# Altium PCB Layout.PcbDoc (part 2 of 4) (continued)
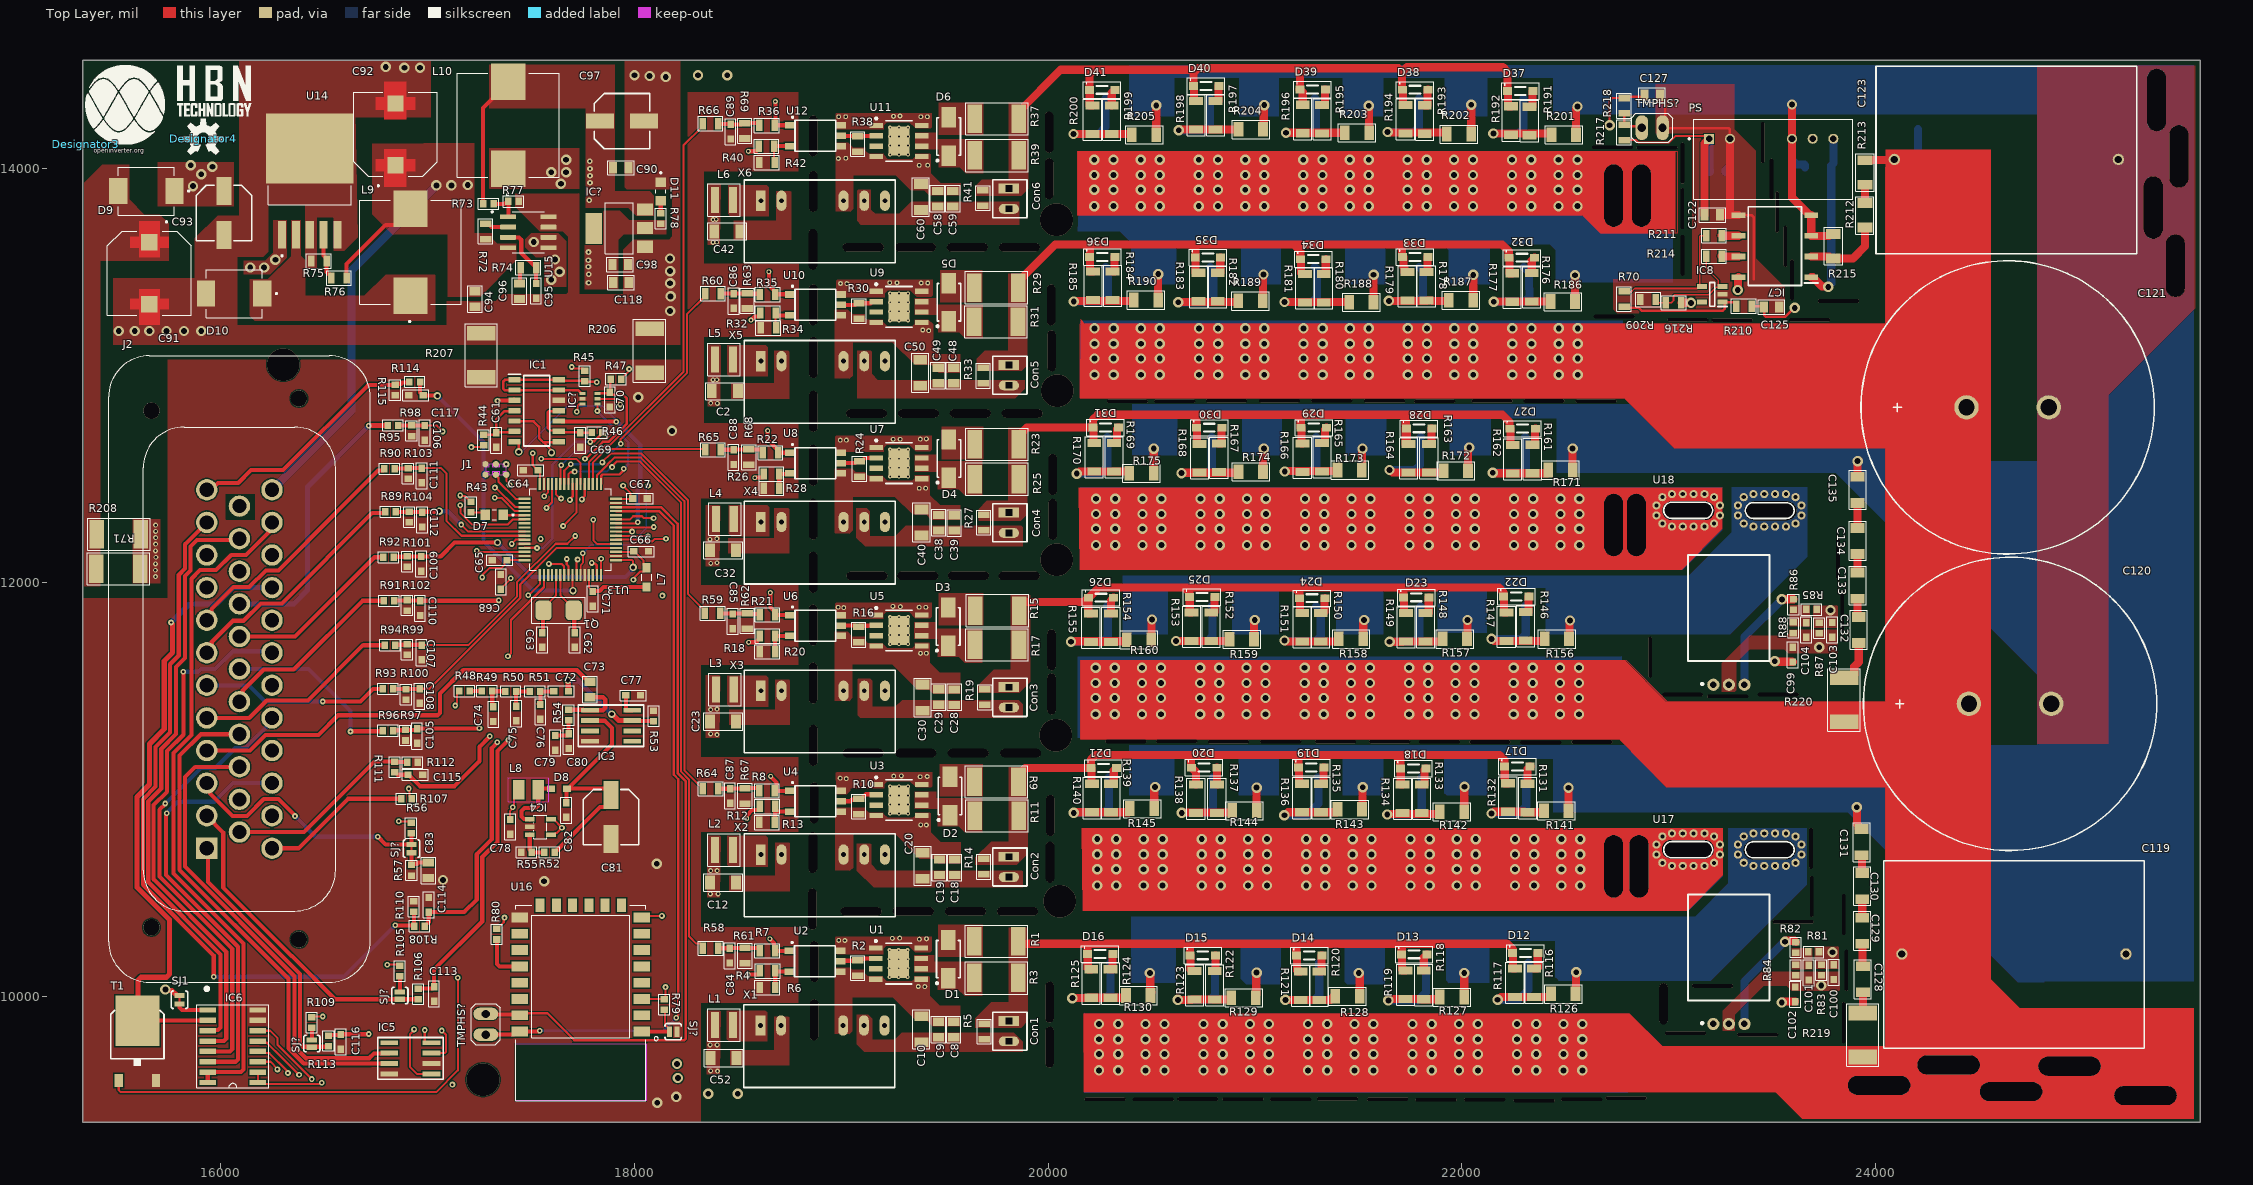
[diagram p0: Top Layer view]
## Nets (pads, with @x,y where several pads share a name; then routed paths per layer and width w, separated by ;. In a path a pad name is that pad's centre, name@x,y a point inside that pad or via, vN(x,y) a via of type N, cw(c..) or ccw(c..) an arc to the next point about the centre after c; other vN are vias at no path point) (continued)
C: C41.1 C44.2 C48.1 C49.1 C50.2 Con5.2 pad.5@22733,13868.38 pad.5@22867.13,13868.38 Q22.2 Q23.2 Q24.2 Q25.2 Q26.2 Q27.3 Q28.3 Q29.3 Q30.3 Q31.3 R33.1 R186.1 R187.1 R188.1 R189.1 R190.1 X5.6 | length 3851
  Top Layer w39.37: R190.1@20531.75,13364.35 v1(20531.75,13489.17) ; R189.1@21036.8,13359.79 21038.77,13361.76 21038.77,13485.66 v1(21040.74,13487.63) ; R188.1@21572.83,13353.35 v1(21572.83,13485.66) ; R187.1@22054.02,13363.19 22054.02,13378.59 22054.37,13378.94 22054.37,13485.11 v1(22054.71,13485.45) ; R186.1@22545.63,13356.79 22545.85,13357.01 22545.85,13483.54 v1(22546.07,13483.75)
  Mid 1 w39.37: Con5.2@19810.51,12951.55 19895.61,12951.55 19943.39,12999.32 19943.39,13433.24 19999.31,13489.17 v1(20531.75,13489.17) 20532.52,13488.4 21039.96,13488.4 21041.72,13486.64 21571.85,13486.64 21572.94,13485.55 22054.61,13485.55 22055.56,13484.6 22545.22,13484.6 v1(22546.07,13483.75)
  other v1: 20223.22,13817.65 20315.74,13817.65 20447.63,13817.65 20539.16,13817.65 20728.16,13817.65 20820.68,13817.65 20952.57,13817.65 21044.11,13817.65 21233.11,13817.65 21325.63,13817.65 21457.52,13817.65 21549.05,13817.65 21737.07,13817.65 21829.59,13817.65 21961.48,13817.65 22053.01,13817.65 22242.01,13817.65 22334.53,13817.65 22466.42,13817.65 22557.96,13817.65 20223.22,13896.39 20315.74,13896.39 20447.63,13896.39 20539.16,13896.39 20728.16,13896.39 20820.68,13896.39 20952.57,13896.39 21044.11,13896.39 21233.11,13896.39 21325.63,13896.39 21457.52,13896.39 21549.05,13896.39 21737.07,13896.39 21829.59,13896.39 21961.48,13896.39 22053.01,13896.39 22242.01,13896.39 22334.53,13896.39 22466.42,13896.39 22557.96,13896.39 20223.22,13968.24 20315.74,13968.24 20447.63,13968.24 20539.16,13968.24 20728.16,13968.24 20820.68,13968.24 20952.57,13968.24 21044.11,13968.24 21233.11,13968.24 21325.63,13968.24 21457.52,13968.24 21549.05,13968.24 21737.07,13968.24 21829.59,13968.24 21961.48,13968.24 22053.01,13968.24 22242.01,13968.24 22334.53,13968.24 22466.42,13968.24 22557.96,13968.24 20223.22,14042.05 20315.74,14042.05 20447.63,14042.05 20539.16,14042.05 20728.16,14042.05 20820.68,14042.05 20952.57,14042.05 21044.11,14042.05 21233.11,14042.05 21325.63,14042.05 21457.52,14042.05 21549.05,14042.05 21737.07,14042.05 21829.59,14042.05 21961.48,14042.05 22053.01,14042.05 22242.01,14042.05 22334.53,14042.05 22466.42,14042.05 22557.96,14042.05
CANH: IC5.7 J2.16 | length 2483.3
  Top Layer w20: J2.16@16091.93,11265.64 15905.42,11265.64 15802.17,11162.39 15802.17,10610.53 16328.6,10084.1 16328.6,9748.01 16402.86,9673.75 16729.82,9673.75 16730.61,9674.54 IC5.7@16815.86,9674.54
CANL: IC5.6 J2.15 | length 2297.4
  Top Layer w20: J2.15@16091.93,11108.16 15878.22,11108.16 15828.72,11058.66 15828.72,10625.67 16358.45,10095.95 16358.45,9754.91 16413.62,9699.73 16719.05,9699.73 16742.75,9723.43 16814.74,9723.43 IC5.6@16815.86,9724.54
ENC_A/S2: J2.1 R113.1 SJ?.1@16441.93,9753.12 | length 1277.9
  Top Layer w20: J2.1@15934.45,10714.46 15940.41,10708.5 15940.41,10550.73 16384.43,10106.71 16384.43,9770.59 16399.39,9755.62 16439.43,9755.62 SJ?.1@16441.93,9753.12 16444.43,9755.62 16519.79,9755.62 R113.1@16522.64,9758.47
ENC_B/S3: J2.2 R106.1 SJ?.1@16867.13,9985.07 | length 1546.7
  Top Layer w20: J2.2@15934.45,10871.94 15934.45,10869.68 16013.53,10790.6 16013.53,10524.79 16343.88,10194.44 16345.31,10194.44 16554.68,9985.07 SJ?.1@16867.13,9985.07 R106.1@16956.78,9985.07
ENC_Z/R1: C73.2 J2.4 | length 2090.6
  Top Layer w20: J2.4@15934.45,11186.9 16143.51,11186.9 16218.5,11261.89 16473.72,11261.89 16569.04,11357.2 17049.77,11357.2 17061.49,11368.92 17061.49,11462.82 17173.47,11574.8 17722.94,11574.8 17778.45,11519.29 C73.2@17786.32,11519.29
GND: C2.1 C3.1 C12.1 C13.1 C22.1 C23.1 C32.1 C33.1 C42.1 C43.1 C52.1 C53.1 C61.2 C62.1 C63.1 C64.1 C65.1 C66.1 C67.1 C68.1 C69.2 C70.2 C71.1 C74.2 C75.2 C76.2 C77.1 C78.2 C79.1 C80.1 C81.2 C82.1 C83.1 C84.1 C85.1 C86.1 C87.1 C88.1 C89.1 C90.1 C91.2 C92.2 C93.2 C94.1 C95.1 C96.1 C97.2 C98.1 C99.1 C100.1 C101.1 C102.1 C103.1 C104.1 C105.1 C106.1 C107.1 C108.1 C109.1 C110.1 C111.1 C112.1 C113.1 C114.1 C115.1 C116.1 C117.1 C118.1 C122.1 C124.1 C125.1 C127.1 D10.A D11.C IC1.12 IC3.4 IC4.2 IC5.2 IC5.8 IC6.7 IC6.8 IC7.5 IC8.2 IC?.1@18051.68,13621.65 IC?.2@17749.92,12886.65 J1.5 J2.23 PS.2 R6.1 R13.1 R20.1 R28.1 R34.1 R42.1 R53.1 R55.1 R57.1 R61.1 R62.1 R63.1 R67.1 R68.1 R69.1 R75.1 R77.1 R83.1 R84.1 R87.1 R88.1 R97.1 R98.1 R99.1 R100.1 R101.1 R102.1 R103.1 R104.1 R110.1 R112.1 R115.1 R206.1 R206.2 R207.1 R207.2 R209.2 SJ?.2@18206.02,9828.36 T1.3 TMPHS?.2@22969.28,14196.85 U13.12 U13.18 U13.31 U13.47 U13.60 U13.63 U14.3 U14.5 U14.6 U15.7 U15.8 U16.15 U17.2 U18.2 X1.2 X2.2 X3.2 X4.2 X5.2 X6.2 | length 13231.1
  Top Layer w12: C127.1@22947.22,14356.17 22967.63,14335.76 22967.63,14316.57 22983.07,14301.13 TMPHS?.2@22983.07,14181.37 ; TMPHS?.2@22983.07,14186.22 22991.46,14194.61 23287.85,14194.61 23294.88,14187.58 PS.2@23294.88,14143.23 ; IC7.5@23335.63,13774.02 23398.23,13774.02 23410.43,13761.81 23410.43,13463.6
  Top Layer w39.37: PS.2@23294.88,14143.23 23294.88,13782.97 23247.13,13782.97 23247.13,13774.56 23335.09,13774.56 IC7.5@23335.63,13774.02
  Mid 1 w39.37: v1(18109.07,10639.28) 18036.84,10567.04 18036.84,10028.05 18111.55,9953.34 v1(18111.55,9484.38) ; v1(18202.85,9513.15) 18300.3,9415.7 22920.53,9415.7 23289.96,9785.13 U17.2@23289.96,9865.56 ; PS.2@23294.88,14143.23 23385.84,14052.27 23385.84,13400.99 23748.15,13038.68 23748.15,11961.73 23682.64,11896.22 23682.64,11730.08 v1(23726.99,11685.73) 23726.99,10063.08 23735.86,10054.2 v1(23735.86,10051.33)
  Mid 2 w39.37: v1(17075.77,10561.33) 17554.9,10561.33 17561.36,10554.87 v1(17564.24,10554.87) ; v1(18019.49,12893.9) 18019.79,12893.9 18182.03,12731.65 v1(18182.33,12731.65)
  Bottom Layer w39.37: C124.1@23273.7,13983.02 23273.7,13990.9 23294.88,14012.07 PS.2@23294.88,14143.23
  other v1: 15508.86,13213.98 15586.02,13213.98 15656.89,13213.98 15739.57,13213.98 15824.21,13213.98 15907.71,13213.98 18173.25,13311.03 18175.78,13381.51 18173.25,13445.29 18173.25,13503.64 18173.06,13564.7 18152.5,14442.29 18074.05,14446.37 18000.99,14450.44 16889.01,14486.6 16964.45,14486.6 16798.9,14490.68
H1: Con1.1 D12.k D13.k D14.k D15.k D16.k R1.2 R3.2 R5.2 R117.1 R119.1 R121.1 R123.1 R125.1 | length 3143.6
  Top Layer w39.37: R1.2@19856.1,10264.76 19867.51,10253.36 20184.12,10253.36 ; D16.k@20189.51,10203.59 D16.k@20190.5,10204.57 ; D16.k@20191.48,10202.6 20191.48,10133.16 20194.86,10129.78 R125.1@20208.64,10129.78 ; D15.k@20686.05,10196.85 20686.05,10253.36 ; D15.k@20687.04,10196.85 20688.02,10195.87 20688.02,10127.44 20694,10121.47 R123.1@20707.78,10121.47 ; R121.1@21220.81,10119.81 21207.03,10119.81 21202.76,10124.08 21202.76,10194.88 21201.77,10195.87 D14.k@21200.79,10195.87 21199.8,10195.87 21198.82,10196.85 21198.82,10253.36 ; D13.k@21707.84,10201.68 D13.k@21707.97,10201.68 ; R119.1@21726.88,10123.64 21713.1,10123.64 21709.81,10126.93 21709.81,10200.69 21708.83,10201.68 D13.k@21707.97,10201.68 ; D12.k@22245.08,10208.66 22246.06,10208.66 D12.k@22247.05,10207.68 ; R117.1@22255.98,10133.28 22247.05,10133.28 D12.k@22247.05,10207.68 ; 20184.12,10253.36 20189.51,10247.96 ; 20184.12,10253.36 20686.05,10253.36 ; 20189.51,10247.96 20189.51,10204.57 D16.k@20190.5,10204.57 ; 20189.51,10247.96 20191.48,10204.57 D16.k@20190.5,10204.57 ; 20686.05,10253.36 21198.82,10253.36 ; 21198.82,10253.36 21708.95,10253.36 ; D13.k@21707.97,10201.68 21708.95,10202.66 21708.95,10253.36 ; 21708.95,10253.36 22219.08,10253.36 22247.05,10225.39 D12.k@22247.05,10207.68
H2: Con3.1 D22.k D23.k D24.k D25.k D26.k R15.2 R17.2 R19.2 R147.1 R149.1 R151.1 R153.1 R155.1 | length 3038.2
  Top Layer w39.37: R15.2@19860.27,11863.2 19860.27,11889.19 19876.01,11904.94 20173.02,11904.94 20192.06,11923.98 20193.05,11923.98 D26.k@20194.03,11924.96 20194.03,11849.18 R155.1@20206.8,11849.18 ; D26.k@20195.02,11924.96 20244.58,11974.52 20659.35,11974.52 ; R153.1@20693.24,11854.35 20684.38,11854.35 20684.38,11928.17 20683.4,11929.15 D25.k@20682.41,11929.15 20682.41,11951.46 20659.35,11974.52 ; R151.1@21227.96,11851.49 21216.41,11851.49 21216.41,11921.6 21215.43,11922.58 D24.k@21214.44,11922.58 21214.44,11951.46 21191.38,11974.52 ; R149.1@21729.56,11851.1 21720.21,11851.1 21720.21,11925.91 21719.23,11926.89 21718.95,11926.89 21717.96,11927.88 21717.96,11951.46 21694.9,11974.52 ; R147.1@22214.53,11854.33 22203.21,11854.33 22203.21,11930.12 22202.22,11931.1 D22.k@22201.24,11931.1 22201.24,11951.46 22178.18,11974.52 21694.9,11974.52 ; 20659.35,11974.52 21191.38,11974.52 ; 21191.38,11974.52 21694.9,11974.52
H3: Con5.1 D32.k D33.k D34.k D35.k D36.k R29.2 R31.2 R33.2 R177.1 R179.1 R181.1 R183.1 R185.1 | length 3259.2
  Top Layer w39.37: R29.2@19855.88,13424.21 19855.88,13457.68 19871.62,13473.43 19874.8,13473.43 20034.25,13632.87 20179.45,13632.87 ; R185.1@20216.79,13502.14 20203.01,13502.14 20202.52,13502.63 20202.52,13609.81 20179.45,13632.87 ; R183.1@20726.76,13495.61 20712.98,13495.61 20712.98,13568.45 20712.39,13569.03 20712.39,13609.81 20689.33,13632.87 ; R181.1@21241.14,13489.17 21227.36,13489.17 21222.44,13494.09 21222.44,13560.04 21221.46,13561.02 D34.k@21220.47,13561.02 21219.49,13561.02 21218.5,13562.01 21218.5,13601.62 21187.25,13632.87 ; D33.k@21712.42,13571.85 21711.43,13572.83 21710.84,13572.83 21710.84,13616.8 21694.77,13632.87 ; D33.k@21717.83,13571.85 21717.83,13522.89 21722.62,13518.09 21722.62,13499.83 R179.1@21736.4,13499.83 ; R177.1@22243.15,13493.33 22230.18,13493.33 22230.18,13566.93 22229.19,13567.91 D32.k@22228.21,13567.91 22227.23,13567.91 22226.24,13568.9 22226.24,13599.97 22193.34,13632.87 21694.77,13632.87 ; 20179.45,13632.87 20689.33,13632.87 ; 20689.33,13632.87 21187.25,13632.87 ; 21187.25,13632.87 21694.77,13632.87
HV+: C119.1 C120.2 C121.2 C123.1 pad.5@24015.75,9568.9 pad.5@24351.38,9667.32 pad.5@24653.54,9538.39 pad.5@24936.02,9661.42 pad.5@25303.15,9519.68 Q2.3 Q3.3 Q4.3 Q5.3 Q6.3 Q12.3 Q13.3 Q14.3 Q15.3 Q16.3 Q22.3 Q23.3 Q24.3 Q25.3 Q26.3 R213.2 R219.2 R220.2 R221.2 | length 515.8
  Top Layer w39.37: R213.2@23947.83,14039.37 23949.8,14041.34 24087.6,14041.34 C123.1@24089.57,14043.31
  Bottom Layer w39.37: R221.2@24206.69,13043.31 24340.55,13043.31 24422.96,12960.89 24422.96,12860.16 C121.2@24438.03,12845.09
  other v1: 20246.14,9641.15 20338.66,9641.15 20470.55,9641.15 20562.08,9641.15 20751.09,9641.15 20843.61,9641.15 20975.5,9641.15 21067.03,9641.15 21256.03,9641.15 21348.55,9641.15 21480.44,9641.15 21571.98,9641.15 21760.98,9641.15 21853.5,9641.15 21985.39,9641.15 22076.92,9641.15 22265.92,9641.15 22358.44,9641.15 22490.33,9641.15 22581.87,9641.15 20246.14,9719.89 20338.66,9719.89 20470.55,9719.89 20562.08,9719.89 20751.09,9719.89 20843.61,9719.89 20975.5,9719.89 21067.03,9719.89 21256.03,9719.89 21348.55,9719.89 21480.44,9719.89 21571.98,9719.89 21760.98,9719.89 21853.5,9719.89 21985.39,9719.89 22076.92,9719.89 22265.92,9719.89 22358.44,9719.89 22490.33,9719.89 22581.87,9719.89 20246.14,9791.74 20338.66,9791.74 20470.55,9791.74 20562.08,9791.74 20751.09,9791.74 20843.61,9791.74 20975.5,9791.74 21067.03,9791.74 21256.03,9791.74 21348.55,9791.74 21480.44,9791.74 21571.98,9791.74 21760.98,9791.74 21853.5,9791.74 21985.39,9791.74 22076.92,9791.74 22265.92,9791.74 22358.44,9791.74 22490.33,9791.74 22581.87,9791.74 20246.14,9865.56 20338.66,9865.56 20470.55,9865.56 20562.08,9865.56 20751.09,9865.56 20843.61,9865.56 20975.5,9865.56 21067.03,9865.56 21256.03,9865.56 21348.55,9865.56 21480.44,9865.56 21571.98,9865.56 21760.98,9865.56 21853.5,9865.56 21985.39,9865.56 22076.92,9865.56 22265.92,9865.56 22358.44,9865.56 22490.33,9865.56 22581.87,9865.56 20229.63,11362.32 20322.15,11362.32 20454.04,11362.32 20545.57,11362.32 20734.57,11362.32 20827.09,11362.32 20958.98,11362.32 21050.52,11362.32 21239.52,11362.32 21332.04,11362.32 21463.93,11362.32 21555.46,11362.32 21744.47,11362.32 21836.99,11362.32 21968.88,11362.32 22060.41,11362.32 22249.41,11362.32 22341.93,11362.32 22473.82,11362.32 22565.36,11362.32 20229.63,11441.06 20322.15,11441.06 20454.04,11441.06 20545.57,11441.06 20734.57,11441.06 20827.09,11441.06 20958.98,11441.06 21050.52,11441.06 21239.52,11441.06 21332.04,11441.06 21463.93,11441.06 21555.46,11441.06 21744.47,11441.06 21836.99,11441.06 21968.88,11441.06 22060.41,11441.06 22249.41,11441.06 22341.93,11441.06 22473.82,11441.06 22565.36,11441.06 20229.63,11512.91 20322.15,11512.91 20454.04,11512.91 20545.57,11512.91 20734.57,11512.91 20827.09,11512.91 20958.98,11512.91 21050.52,11512.91 21239.52,11512.91 21332.04,11512.91 21463.93,11512.91 21555.46,11512.91 21744.47,11512.91 21836.99,11512.91 21968.88,11512.91 22060.41,11512.91 22249.41,11512.91 22341.93,11512.91 22473.82,11512.91 22565.36,11512.91 20229.63,11586.73 20322.15,11586.73 20454.04,11586.73 20545.57,11586.73 20734.57,11586.73 20827.09,11586.73 20958.98,11586.73 21050.52,11586.73 21239.52,11586.73 21332.04,11586.73 21463.93,11586.73 21555.46,11586.73 21744.47,11586.73 21836.99,11586.73 21968.88,11586.73 22060.41,11586.73 22249.41,11586.73 22341.93,11586.73 22473.82,11586.73 22565.36,11586.73 20223.93,13002.47 20316.45,13002.47 20448.34,13002.47 20539.88,13002.47 20728.88,13002.47 20821.4,13002.47 20953.29,13002.47 21044.82,13002.47 21233.82,13002.47 21326.34,13002.47 21458.23,13002.47 21549.77,13002.47 21738.77,13002.47 21831.29,13002.47 21963.18,13002.47 22054.71,13002.47 22243.71,13002.47 22336.23,13002.47 22468.12,13002.47 22559.66,13002.47 20223.93,13081.21 20316.45,13081.21 20448.34,13081.21 20539.88,13081.21 20728.88,13081.21 20821.4,13081.21 20953.29,13081.21 21044.82,13081.21 21233.82,13081.21 21326.34,13081.21 21458.23,13081.21 21549.77,13081.21 21738.77,13081.21 21831.29,13081.21 21963.18,13081.21 22054.71,13081.21 22243.71,13081.21 22336.23,13081.21 22468.12,13081.21 22559.66,13081.21 20223.93,13153.06 20316.45,13153.06 20448.34,13153.06 20539.88,13153.06 20728.88,13153.06 20821.4,13153.06 20953.29,13153.06 21044.82,13153.06 21233.82,13153.06 21326.34,13153.06 21458.23,13153.06 21549.77,13153.06 21738.77,13153.06 21831.29,13153.06 21963.18,13153.06 22054.71,13153.06 22243.71,13153.06 22336.23,13153.06 22468.12,13153.06 22559.66,13153.06 20223.93,13226.88 20316.45,13226.88 20448.34,13226.88 20539.88,13226.88 20728.88,13226.88 20821.4,13226.88 20953.29,13226.88 21044.82,13226.88 21233.82,13226.88 21326.34,13226.88 21458.23,13226.88 21549.77,13226.88 21738.77,13226.88 21831.29,13226.88 21963.18,13226.88 22054.71,13226.88 22243.71,13226.88 22336.23,13226.88 22468.12,13226.88 22559.66,13226.88
HV-: C11.1 C14.2 C18.1 C19.1 C20.2 C31.1 C34.2 C38.1 C39.1 C40.2 C51.1 C54.2 C58.1 C59.1 C60.2 C119.2 C120.1 C121.1 C123.2 C126.1 C131.1 C135.1 C139.1 Con2.2 Con4.2 Con6.2 IC7.3 IC7.4 pad.5@25340.88,13810.85 pad.5@25356.88,14330.54 pad.5@25447.83,13529.53 pad.5@25464.57,14058.07 PS.5 Q7.2 Q8.2 Q9.2 Q10.2 Q11.2 Q17.2 Q18.2 Q19.2 Q20.2 Q21.2 Q27.2 Q28.2 Q29.2 Q30.2 Q31.2 R14.1 R27.1 R41.1 R141.1 R142.1 R143.1 R144.1 R145.1 R171.1 R172.1 R173.1 R174.1 R175.1 R201.1 R202.1 R203.1 R204.1 R205.1 R215.1 X2.6 X4.6 X6.6 | length 12377
  Top Layer w39.37: R175.1@20510.47,12526.75 20510.68,12526.95 20510.68,12645.79 v1(20510.88,12645.99) ; R145.1@20513.09,10906.71 20513.09,11003.64 20517.03,11007.58 v1(20517.03,11010.45) ; R205.1@20522.73,14162.66 v1(20522.73,14304.39) ; v1(21007.51,11007.58) 21007.78,11007.31 21007.78,10897.16 R144.1@21008.06,10896.89 ; R204.1@21038.25,14188.71 21038.25,14200.63 21042.07,14204.46 21042.07,14303.94 v1(21044.11,14305.97) ; R174.1@21038.67,12534.9 21038.67,12639.18 21042.61,12643.12 v1(21042.61,12645.99) ; R173.1@21516.06,12542.79 21517.53,12544.26 21517.53,12644.52 v1(21519,12645.99) ; R143.1@21516.5,10902.65 21518.47,10904.62 21518.47,11007.05 v1(21520.44,11009.02) ; v1(21549.05,14302.82) 21550.31,14301.56 21550.31,14173.37 R203.1@21551.57,14172.11 ; R142.1@22010.83,10891.63 22011.32,10892.13 22011.32,11010.93 v1(22011.82,11011.43) ; R172.1@22029.76,12538.69 22029.76,12643.43 22034.89,12648.55 v1(22034.89,12651.43) ; R202.1@22044.59,14166.34 v1(22044.59,14307.94) ; R141.1@22514.73,10895.66 v1(22514.73,11007.05) ; R171.1@22534.81,12542.79 v1(22534.81,12646.65) ; R201.1@22551.1,14162.4 22551.1,14289.48 22557.96,14296.34 v1(22557.96,14299.21) ; v1(23594.88,14308.99) PS.5@23594.88,14143.23 23594.88,13859.25 23680.12,13774.02 IC7.4@23687.99,13774.02 IC7.3@23687.99,13674.02 23774.02,13674.02 23783.07,13683.07 R215.1@23794.88,13683.07 ; v1(23907.48,10912.4) 23909.51,10910.37 23909.51,10828.67 23917.32,10820.87 23917.32,10811.02 23921.26,10807.09 C131.1@23931.1,10807.09 ; C135.1@23911.86,12509.55 v1(23911.86,12585.63)
  Mid 1 w39.37: Con2.2@19810.51,10575.36 19902.95,10575.36 19931.03,10603.44 19931.03,10975.26 19966.22,11010.45 v1(20517.03,11010.45) 20518.47,11009.02 21006.08,11009.02 v1(21007.51,11007.58) 21008.23,11008.3 21519.72,11008.3 21521.64,11010.22 22010.62,11010.22 v1(22011.82,11011.43) 22507.47,11011.43 22511.86,11007.05 v1(22514.73,11007.05) ; Con4.2@19810.51,12238.34 19918.26,12238.34 19968.07,12288.15 19968.07,12627.83 19991.14,12650.9 20247.12,12650.9 20252.02,12645.99 v1(20510.88,12645.99) v1(21042.61,12645.99) v1(21519,12645.99) 22026.58,12645.99 22032.01,12651.43 22527.16,12651.43 22531.93,12646.65 v1(22534.81,12646.65) ; Con6.2@19810.51,13804.5 19897.21,13804.5 19920.28,13827.56 19920.28,14259.44 19965.23,14304.39 v1(20522.73,14304.39) 20523.51,14305.18 21043.32,14305.18 v1(21044.11,14305.97) 21045.68,14304.4 21547.48,14304.4 v1(21549.05,14302.82) 22036.59,14302.82 v1@22041.71,14307.94 ; v1(22044.59,14307.94) 22046.62,14305.91 22054.14,14305.91 22056.46,14303.59 22546.07,14303.59 22548.41,14301.25 22555.93,14301.25 v1(22557.96,14299.21)
  Bottom Layer w39.37: PS.5@23594.88,14143.23 23594.88,14041.76 23617.94,14018.7 23654.53,14018.7 23658.46,14014.76 C126.1@23658.46,14004.92
L1: Con2.1 D17.k D18.k D19.k D20.k D21.k R9.2 R11.2 R14.2 R132.1 R134.1 R136.1 R138.1 R140.1 | length 3160.6
  Top Layer w39.37: R9.2@19856.73,11035.57 19856.73,11069.03 19889.31,11101.61 D21.k@20206.84,11101.61 ; R140.1@20224.07,11026.81 20210.29,11026.81 20208.81,11028.29 20208.81,11100.63 20207.83,11101.61 D21.k@20206.84,11101.61 ; R138.1@20714.12,11023.25 20714.12,11083.42 20693.35,11104.19 D20.k@20692.36,11104.19 20691.38,11105.18 20690.39,11105.18 20690.39,11145.04 20681.21,11154.23 20681.21,11166.12 ; R136.1@21212.42,11026.35 21212.42,11103.35 21211.43,11104.33 D19.k@21210.45,11104.33 21210.45,11143.06 21187.39,11166.12 ; R136.1@21212.43,11026.34 R136.1@21226.2,11026.34 ; 21676.85,11166.12 21701.95,11141.02 21701.95,11101.16 21702.94,11101.16 D18.k@21703.92,11100.17 21703.92,11023.17 R134.1@21712.8,11023.17 ; R132.1@22222.16,11029.02 22208.38,11029.02 22208.38,11050.3 22206.6,11052.08 D17.k@22206.6,11109.2 22205.61,11110.18 22205.61,11141.09 22180.58,11166.12 21685.47,11166.12 21187.39,11166.12 ; D21.k@20206.84,11101.61 20206.84,11143.06 20229.9,11166.12 20681.21,11166.12 ; 20681.21,11166.12 21187.39,11166.12
L2: Con4.1 D27.k D28.k D29.k D30.k D31.k R23.2 R25.2 R27.2 R162.1 R164.1 R166.1 R168.1 R170.1 | length 3257.9
  Top Layer w39.37: R23.2@19858.07,12667.09 19873.82,12682.84 19873.82,12724.74 19896.88,12747.8 D31.k@20216.79,12747.8 ; R170.1@20222.89,12673.4 20218.76,12673.4 20218.76,12746.81 20217.77,12747.8 D31.k@20216.79,12747.8 ; R168.1@20731.64,12668.76 20719.31,12668.76 20719.31,12745.32 20718.32,12746.3 D30.k@20717.34,12746.3 20717.34,12786.34 20694.27,12809.4 ; R166.1@21228.85,12671.24 21224.59,12671.24 21224.59,12745.93 21223.6,12746.91 D29.k@21222.62,12746.91 21221.63,12746.91 21220.65,12747.89 21220.65,12785.55 21196.79,12809.4 ; D28.k@21728.58,12742.63 21728.58,12668.31 R164.1@21742.36,12668.31 ; D28.k@21731.04,12743.61 21730.06,12743.61 21729.07,12744.6 21729.07,12759.49 21728.09,12760.47 21728.09,12786.34 21705.03,12809.4 ; D28.k@21732.03,12743.61 21733.01,12742.63 R164.1@21733.01,12668.31 ; R162.1@22245.54,12663.36 22233.73,12663.36 22233.73,12741.12 22232.75,12742.1 D27.k@22231.76,12742.1 22230.78,12742.1 22229.79,12743.09 22229.79,12774.53 22194.92,12809.4 21705.03,12809.4 ; D31.k@20216.79,12747.8 20216.79,12786.34 20239.85,12809.4 20694.27,12809.4 ; 20694.27,12809.4 21196.79,12809.4 ; 21196.79,12809.4 21705.03,12809.4
L3: Con6.1 D37.k D38.k D39.k D40.k D41.k R37.2 R39.2 R41.2 R192.1 R194.1 R196.1 R198.1 R200.1 | length 3423
  Top Layer w39.37: R37.2@19858.07,14240.51 19858.07,14273.97 20060.77,14476.68 20222.52,14476.68 ; R200.1@20214.28,14304.39 20201.42,14304.39 20201.42,14378.47 20200.44,14379.45 D41.k@20199.45,14379.45 20199.45,14453.62 20222.52,14476.68 ; R198.1@20715.04,14326.5 20704.19,14326.5 20704.19,14397.07 20703.21,14398.05 D40.k@20702.22,14398.05 20702.22,14460.62 20718.28,14476.68 ; R196.1@21230.7,14307.94 21230.7,14367.7 21217.33,14381.08 D39.k@21216.34,14381.08 21217.33,14382.06 21217.33,14457 21244.01,14483.68 ; R194.1@21726.35,14307.09 21714.57,14307.09 21714.57,14378.94 21713.58,14379.92 D38.k@21712.6,14379.92 21711.83,14379.92 21710.84,14380.91 21710.84,14466.11 ; R192.1@22237.48,14300.16 22223.71,14300.16 22222.36,14301.5 22222.36,14373.03 22221.38,14374.02 D37.k@22220.39,14374.02 22220.39,14466.11 22197.33,14489.17 21733.91,14489.17 21710.84,14466.11 ; 20222.52,14476.68 20702.22,14476.68 20718.28,14476.68 ; 20718.28,14476.68 20725.28,14483.68 21244.01,14483.68 ; 21244.01,14483.68 21693.28,14483.68 21710.84,14466.11
MTEMP+: J2.24 R107.1 | length 725.6
  Top Layer w20: J2.24@16249.41,10714.46 16378.13,10714.46 16617.29,10953.62 R107.1@16875.98,10953.62
MTEMP-: J2.13 R111.1 R112.2 | length 953.1
  Top Layer w20: J2.13@16091.93,10793.2 16404.59,10793.2 16745.02,11133.62 R111.1@16842.32,11133.62 16844.34,11131.61 16900.35,11131.61 R112.2@16902.36,11129.59
NetC3_2: C3.2 L1.2 X1.1
NetC13_2: C13.2 L2.2 X2.1
NetC22_2: C22.2 L3.2 X3.1
NetC33_2: C33.2 L4.2 X4.1
NetC43_2: C43.2 L5.2 X5.1
NetC53_2: C53.2 L6.2 X6.1
NetC61_1: C61.1 IC1.4 IC1.6 R44.2 | length 374.6
  Top Layer w12: R44.2@17272.07,12712.85 17323.07,12712.85 17332.82,12722.59 C61.1@17332.82,12722.69 ; IC1.6@17446.03,12727.61 17443.57,12725.15 17335.27,12725.15 C61.1@17332.82,12722.69 ; IC1.4@17446.03,12827.61 17373.16,12827.61 17332.82,12787.26 C61.1@17332.82,12722.69
NetC62_2: C62.2 Q1.1 U13.6 | length 306.3
  Top Layer w10: U13.6@17642.72,12033.98 17642.72,11936.86 17707.3,11872.28 Q1.1@17707.3,11864.41
  Top Layer w20: Q1.1@17707.3,11864.41 17710.08,11861.63 17710.08,11759.49 C62.2@17712.85,11756.71
NetC63_2: C63.2 Q1.2 U13.5 | length 304.8
  Top Layer w10: Q1.2@17561.63,11864.41 17561.63,11876.17 17622.72,11937.27 U13.5@17622.72,12033.98
  Top Layer w20: C63.2@17556.37,11756.68 17559,11759.31 17559,11861.78 Q1.2@17561.63,11864.41
NetC68_2: C68.2 U13.7 | length 591.2
  Top Layer w10: C68.2@17355.28,11966.55 17355.28,11968.52 17403.31,12016.55 v2(17403.31,12018.76) ; v2(17587.66,12088.64) 17588.08,12089.07 17648.45,12089.07 17661.22,12076.29 17661.22,12034.48 U13.7@17661.72,12033.98
  Mid 1 w10: v2(17548.4,12209.57) 17587.98,12169.99 17587.98,12088.97 v2(17587.66,12088.64)
  Mid 2 w10: v2(17403.31,12018.76) 17403.31,12080.07 17530.26,12207.01 17545.85,12207.01 v2(17548.4,12209.57)
NetC69_1: C69.1 IC1.9 IC1.11 R46.2 | length 370.3
  Top Layer w12: IC1.11@17650.75,12827.61 17588.83,12827.61 17581.8,12820.58 17581.8,12745.7 17594.08,12733.42 17644.94,12733.42 17650.75,12727.61 17653.21,12725.15 17735.95,12725.15 C69.1@17738.4,12722.69 17739,12723.28 17794.78,12723.28 R46.2@17795.37,12723.88
NetC71_2: C71.2 L7.2 U13.13 | length 355.1
  Top Layer w10: U13.13@17780.72,12033.98 17780.72,11976.62 17799.72,11957.62 C71.2@17799.72,11955.65
  Top Layer w20: C71.2@17799.72,11955.65 17802.15,11958.08 17833.18,11958.08 17852.18,11977.08 L7.2@18059.73,11977.08
NetC72_1: C72.1 C76.1 R51.2 | length 130.1
  Top Layer w20: C76.1@17538.18,11410.35 17538.18,11412.32 17546.05,11420.19 R51.2@17546.05,11472.25 C72.1@17610.99,11472.24
NetC72_2: C72.2 IC3.7 R53.2 | length 521.6
  Top Layer w20: IC3.7@17990.32,11331.69 18021.81,11331.69 18023.62,11329.88 18033.1,11329.88 18033.21,11329.77 18073.25,11329.77 18073.85,11329.17 18086.94,11329.17 R53.2@18092.68,11323.42
  Top Layer w25: v5(17679.48,11526.43) 17680.67,11525.24 17680.67,11473.43 C72.2@17681.86,11472.24 ; v5(17891.08,11362.79) 17893.91,11362.79 17924.76,11331.94 IC3.7@17959.51,11331.94
  Bottom Layer w25: v5(17679.48,11526.43) 17681.48,11524.44 17729.44,11524.44 v5(17891.08,11362.79)
NetC73_1: C73.1 IC3.1 R54.2 | length 300.8
  Top Layer w20: R54.2@17682.85,11384.05 17751.75,11384.05 17754.1,11381.69 IC3.1@17785.6,11381.69 17848.23,11381.69 17859.94,11393.41 17859.94,11432.77 17848.23,11444.49 C73.1@17786.32,11444.49
NetC74_1: C74.1 R49.2 R50.1 | length 143.5
  Top Layer w20: C74.1@17319.65,11398.23 17319.65,11400.19 17313.75,11406.1 R49.2@17313.75,11474.38 17314.82,11473.31 17376.65,11473.31 R50.1@17377.72,11472.24
NetC75_1: C75.1 R50.2 R51.1 | length 133.6
  Top Layer w20: C75.1@17428.9,11402.69 R50.2@17428.9,11470.27 ; R50.2@17428.9,11472.24 R51.1@17494.87,11472.25
NetC77_2: C77.2 IC3.8 | length 101.6
  Top Layer w20: C77.2@17959.35,11453.38 17959.35,11383.5 17961.16,11381.69 IC3.8@17990.32,11381.69
NetC79_2: C79.2 C80.2 R54.1 | length 134.1
  Top Layer w20: C79.2@17618.37,11259.84 17677.09,11259.84 17682.84,11265.59 R54.1@17682.85,11332.87